# Altium PCB FlightControlBoard.PcbDoc (part 1 of 3) (continued)
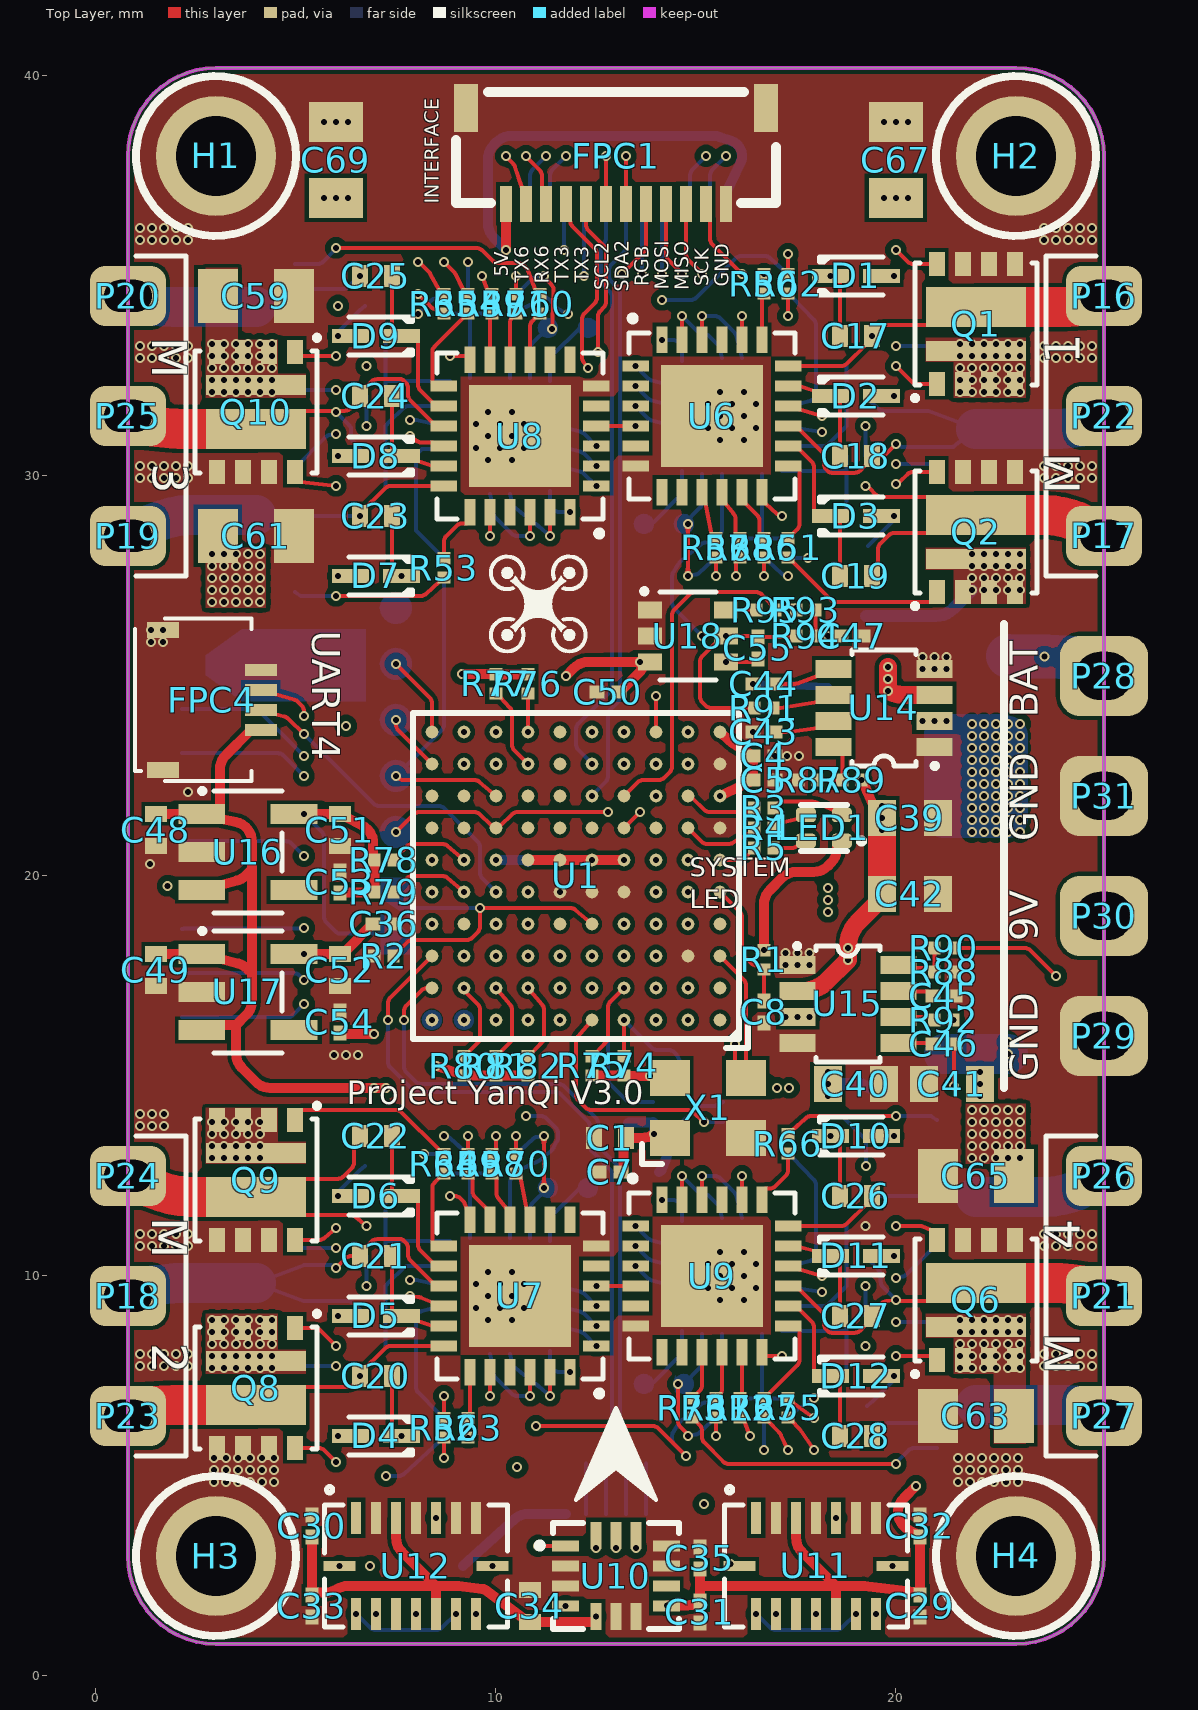
[diagram p0: Top Layer view]
## Footprints (in the part's own frame and the unit in brackets; to place one, negate y for a bottom-side part, rotate by r counter-clockwise, add the part's x,y. Pads: shape width x height; smd on the part's side, far side on the other; paste and mask are expansions set on the pad) (continued)

## Part data
C1 C2 C3 C4 C5 C6 C7 C8 C9 C10 C11 C12 C13 C14 C15 C16 C17 C18 C19 C20 C21 C22 C23 C24 C25 C26 C27 C28 C29 C30 C31 C32 C33 C34 C35 C36 C37 C38 C39 C40 C41 C42 C43 C44 C45 C46 C47 C48 C49 C50 C51 C52 C53 C54 C55 C56 C57 C58 C59 C60 C61 C62 C63 C64 C65 C66 C67 C68 C69 C70 C71 C72 C73: library part CC0603KRX7R9BB104, Add into BOM=yes, Convert to PCB=yes
  C9 C10 C11 C12 C13 C14 C15 C16 C29 C30 C32 C33 C35 C36 C37 C38 C43 C44 C45 C46 C53 C54: Name=100nF
  C17 C18 C19 C20 C21 C22 C23 C24 C25 C26 C27 C28 C48 C49 C51 C52: Name=1uF
  C31: Name=10nF
  C34: Name=2.2uF
  C39 C40 C41 C42: Name=22uF
D1 D2 D3 D4 D5 D6 D7 D8 D9 D10 D11 D12: Average Rectified Current (Io)=150mA, Forward Voltage (Vf@If)=1.25V@150mA, JLCPCB Part Class="Extended Part", LCSC Part Name="75V 150mA 4ns", Manufacturer=CJ(江苏长电/长晶), Operating Temperature=+150℃@(Tj), Power Dissipation=150mW, Reverse Leakage Current=1uA@75V, Reverse Voltage (Vr)=75V, Add into BOM=yes, Convert to PCB=yes, Datasheet=https://atta.szlcsc.com/upload/public/pdf/source/20160516/1463363918425.pdf, Device="1N4148WT T4", Diode Configuration=独立式, Manufacturer Part="1N4148WT T4", Name="1N4148WT T4", Reverse Recovery Time (trr)=4ns, Supplier=LCSC, Supplier Footprint=SOD-523, Supplier Part=C68948, Symbol=1N4148WT_C68948
D13 D14: Average Rectified Current (Io)=1A, Forward Voltage (Vf@If)=600mV@1A, JLCPCB Part Class="Basic Part", LCSC Part Name="电压:40V 电流:1A", Manufacturer=Hottech(合科泰), Reverse Voltage (Vr)=40V, Add into BOM=yes, Convert to PCB=yes, Datasheet=https://atta.szlcsc.com/upload/public/pdf/source/20220428/3CB86FD8D28D653594B4E35F9D5AEFD9.pdf, Device=1N5819WS_C191023, Manufacturer Part=1N5819WS, Supplier=LCSC, Supplier Footprint=SOD-323, Supplier Part=C191023, Symbol=1N5819WS
FPC1 FPC3: JLCPCB Part Class="Extended Part", LCSC Part Name="间距:0.5mm P数:12P 双侧触点/上下接", Manufacturer=HRS(广濑), Operating Temperature Range=-55℃~+105℃, Add into BOM=yes, Contact Material=磷青铜, Contact Plating=金, Contact Type=双侧触点/上下接, Convert to PCB=yes, Datasheet=https://atta.szlcsc.com/upload/public/pdf/source/20190903/C424660_13F2CCC518A089E10A5EDDF0ACBC803F.pdf, Device=FH34SRJ-12S-0.5SH(50), FFC, FCB Thickness=0.3mm, Height Above Board=1mm, Locking Feature=-, Manufacturer Part=FH34SRJ-12S-0.5SH(50), Mounting Type=卧贴, Number of Contacts=12P, Pitch=0.5mm, Supplier=LCSC, Supplier Footprint=SMD,P=0.5mm,卧贴, Supplier Part=C424659, Symbol=FH34SRJ-12S-0.5SH(50)
FPC2: JLCPCB Part Class="Extended Part", LCSC Part Name="间距:0.5mm P数:6P 双侧触点/上下接", Manufacturer=HRS(广濑), Operating Temperature Range=-55℃~+105℃, Soldering Temperature(Max)=-, Add into BOM=yes, Contact Material=磷青铜, Contact Plating=金, Contact Type=双侧触点/上下接, Convert to PCB=yes, Datasheet=https://atta.szlcsc.com/upload/public/pdf/source/20180712/C224194_08937A353F43080B85824A8384727686.pdf, Device=FH34SRJ-6S-0.5SH(50), FFC, FCB Thickness=0.3mm, Height Above Board=1mm, Locking Feature=-, Manufacturer Part=FH34SRJ-6S-0.5SH(50), Mounting Type=卧贴, Number of Contacts=6P, Pitch=0.5mm, Supplier=LCSC, Supplier Footprint=SMD,P=0.5mm,卧贴, Supplier Part=C224194, Symbol=FH34SRJ-6S-0.5SH(50)
FPC4: JLCPCB Part Class="Extended Part", LCSC Part Name="间距:0.5mm P数:4P 双侧触点/上下接", Manufacturer=HRS(广濑), Operating Temperature Range=-55℃~+105℃, Soldering Temperature(Max)=-, Add into BOM=yes, Contact Material=磷青铜, Contact Plating=金, Contact Type=双侧触点/上下接, Convert to PCB=yes, Datasheet=https://atta.szlcsc.com/upload/public/pdf/source/20210303/C596732_A8DFF1AAA7954D31ED084C13292B0B28.pdf, Device=FH34SRJ-4S-0.5SH(50), FFC, FCB Thickness=0.3mm, Height Above Board=1mm, Locking Feature=-, Manufacturer Part=FH34SRJ-4S-0.5SH(50), Mounting Type=卧贴, Number of Contacts=4P, Pitch=0.5mm, Supplier=LCSC, Supplier Footprint=SMD,P=0.5mm,卧贴, Supplier Part=C596732, Symbol=FH34SRJ-4S-0.5SH(50)
L1: library part SDFL2012T220KTF, DC Resistance (DCR)=1.1Ω, Frequency - Self Resonant=-, JLCPCB Part Class="Basic Part", LCSC Part Name="10uH ±20% 3.5A", Manufacturer=cjiang(长江微电), Rated Current=5mA, Tolerance=±10%, Add into BOM=yes, Convert to PCB=yes, Datasheet=https://atta.szlcsc.com/upload/public/pdf/source/20210816/855F4348312D259031B87CBCF31BE802.pdf, Device=FHD4020S-100MT, Manufacturer Part=FHD4020S-100MT, Name=10uH, Q @ Freq=-, Ratings=-, Saturation Current (Isat)=-, Supplier=LCSC, Supplier Footprint=SMD,4x4mm, Supplier Part=C602032, Symbol=FHD4020S-100MT
L2: library part SDFL2012T220KTF, DC Resistance (DCR)=1.1Ω, Frequency - Self Resonant=-, JLCPCB Part Class="Basic Part", LCSC Part Name="4.7uH ±20% 4.9A", Manufacturer=cjiang(长江微电), Rated Current=5mA, Tolerance=±10%, Add into BOM=yes, Convert to PCB=yes, Datasheet=https://atta.szlcsc.com/upload/public/pdf/source/20210816/855F4348312D259031B87CBCF31BE802.pdf, Device=FHD4020S-4R7MT, Manufacturer Part=FHD4020S-4R7MT, Name=4.7uH, Q @ Freq=-, Ratings=-, Saturation Current (Isat)=-, Supplier=LCSC, Supplier Footprint=SMD,4x4mm, Supplier Part=C602031, Symbol=FHD4020S-4R7MT
LED1: Emitted Color=RGB三色, JLCPCB Part Class="Extended Part", LCSC Part Name="RGB三色 1010RGB   金线", Manufacturer=国星光电, Add into BOM=yes, Convert to PCB=yes, Datasheet=https://atta.szlcsc.com/upload/public/pdf/source/20200910/C158099_0C805F16310A4C6DB0163E8F613FF382.pdf, Device=FC-B1010RGBT-HG, Manufacturer Part=FC-B1010RGBT-HG, Name=FC-B1010RGBT-HG, Supplier=LCSC, Supplier Footprint=0404, Supplier Part=C158099, Symbol=FC-B1010RGBT-HG
Q1 Q2 Q3 Q4 Q5 Q6 Q7 Q8 Q9 Q10 Q11 Q12: Continuous Drain Current (Id)=13A；15A, Drain Source On Resistance (RDS(on)@Vgs,Id)=10.2mΩ@13A,10V, Drain Source Voltage (Vdss)=30V, Gate Threshold Voltage (Vgs(th)@Id)=2.2V@250uA, Input Capacitance (Ciss@Vds)=485pF@15V, JLCPCB Part Class="Extended Part", LCSC Part Name="2个N沟道 耐压:30V 电流:13A 电流:15A", Manufacturer=AOS, Operating Temperature=-55℃~+150℃@(Tj), Power Dissipation (Pd)=2.5W, Reverse Transfer Capacitance (Crss@Vds)=-, Add into BOM=yes, Convert to PCB=yes, Datasheet=https://atta.szlcsc.com/upload/public/pdf/source/20200117/C485677_FDAB9B95CAD5785C045586C81566DB43.pdf, Device=AON7934, Manufacturer Part=AON7934, Name=AON7934, Supplier=LCSC, Supplier Footprint=DFN-8(3x3), Supplier Part=C485677, Symbol=AON7934, Total Gate Charge (Qg@Vgs)=11nC@10V, Type=2个N沟道
R1 R2 R3 R4 R5 R6 R7 R8 R9 R10 R11 R12 R13 R14 R15 R16 R17 R18 R19 R20 R21 R22 R23 R24 R25 R26 R27 R28 R29 R30 R31 R32 R33 R34 R35 R36 R37 R38 R39 R40 R41 R42 R43 R44 R45 R46 R47 R48 R49 R50 R51 R52 R53 R54 R55 R56 R57 R58 R59 R60 R61 R62 R63 R64 R65 R66 R67 R68 R69 R70 R71 R72 R73 R74 R75 R76 R77 R78 R79 R80 R81 R82 R83 R84 R85 R86 R87 R88 R89 R90 R91 R92 R93 R94 R95 R96: library part 0603WAF1002T5E, Add into BOM=yes, Convert to PCB=yes
  R1 R2 R3 R4 R5 R10 R11 R12 R13 R14 R15 R16 R17 R18 R19 R20 R21 R22 R23 R24 R25 R78 R79 R80 R81 R82 R87 R88 R93: Name=10kΩ
  R6 R7 R8 R9: Name=1kΩ
  R26 R28 R30 R32 R34 R36 R38 R40 R42 R44 R46 R48: Name=47kΩ
  R27 R29 R31 R33 R35 R37 R39 R41 R43 R45 R47 R49 R74 R75 R76 R77: Name=4.7kΩ
  R50 R51 R52 R53 R54 R55 R56 R57 R58 R59 R60 R61 R62 R63 R64 R65 R66 R67 R68 R69 R70 R71 R72 R73 R85 R86: Name=22Ω
  R83 R84: Name=5.1kΩ
  R89: Name=140kΩ
  R90: Name=74kΩ
  R91 R92 R94: Name=100kΩ
  R95: Name=56Ω
  R96: Name=10mΩ, Supplier Part=C163089
SD1: JLCPCB Part Class="Extended Part", LCSC Part Name="拔插式 MicroSD卡(TF卡) 卡座", Manufacturer=HANBO(汉博), Operating Temperature Range=-20℃~+85℃, Welding Temperature (Max)=-, Add into BOM=yes, Card Connection Mode=拔插式, Card Type=MicroSD卡(TF卡), Connector Type=卡座, Contact Material=-, Contact Plating=镀金, Convert to PCB=yes, Datasheet=https://atta.szlcsc.com/upload/public/pdf/source/20221209/91D0698AD722546CAE445F87A6450B20.pdf, Device=TF-027-H300, Manufacturer Part=TF-027-H300, Maximum Body Height=3mm, Supplier=LCSC, Supplier Footprint=SMD, Supplier Part=C5310495, Symbol=TF-027-H300
U1: JLCPCB Part Class="Extended Part", Manufacturer=ST(意法半导体), Add into BOM=yes, Convert to PCB=yes, Datasheet=https://atta.szlcsc.com/upload/public/pdf/source/20220307/46489B78091107FB73FE6602EFA9948C.pdf, Device=STM32H743VIH6, LCSC Part Name=STM32H743VIH6, Manufacturer Part=STM32H743VIH6, Name=STM32H743VIH6, Supplier=LCSC, Supplier Footprint=TFBGA-100, Supplier Part=C964146, Symbol=STM32H743VIH6
U2 U3 U4 U5: JLCPCB Part Class="Extended Part", LCSC Part Name="51系列 50MHz", Low-Voltage Detect=-, Manufacturer="SILICON LABS(芯科)", Manufacturer Part=EFM8BB21F16G-C-QFN20R, Operating Temperature Range=-40℃~+85℃, Operating Voltage Range=2.2V~3.6V, ADC (Bit)=12bit, Add into BOM=yes, CCP Capture/Compare=-, communication protocol=-, Convert to PCB=yes, CPU Core=51系列, CPU Maximum Speed=50MHz, DAC (Bit)=-, Datasheet=https://atta.szlcsc.com/upload/public/pdf/source/20160823/1471947533781.pdf, Device=EFM8BB21F16G-C-QFN20R, Direct Memory Access=-, EEPROM=-, GPIO Ports Number=16, Infrared Data Association=-, Internal Comparator=-, Internal Oscillator=有, Name=EFM8BB21F16G-C-QFN20R, Peripheral/Function=看门狗；PWM, Program Memory Type=FLASH, Program Storage Size=16KB, PWM (Bit)=-, RAM Size=2.25KB, Real-Time Clock=-, Secure Digital Input and Output=-, Supplier=LCSC, Supplier Footprint=QFN-20-EP(3x3), Supplier Part=C80713, Symbol=EFM8BB21F16G-C-QFN20, Universal Serial Bus=-, Watchdog=-
U6 U7 U8 U9: JLCPCB Part Class="Extended Part", Manufacturer="Fortior Tech(峰岹)", Add into BOM=yes, Convert to PCB=yes, Datasheet=https://atta.szlcsc.com/upload/public/pdf/source/20181108/C328453_785547738DB9FC0123219FC22539EFAD.pdf, Device=FD6288Q, LCSC Part Name=FD6288Q, Manufacturer Part=FD6288Q, Name=FD6288Q, Supplier=LCSC, Supplier Footprint=QFN-24-EP(4x4), Supplier Part=C328453, Symbol=FD6288Q_C328453
U10: JLCPCB Part Class="Extended Part", LCSC Part Name="ICM 42688 P", Manufacturer="TDK InvenSense(应美盛)", Add into BOM=yes, Convert to PCB=yes, Datasheet=https://atta.szlcsc.com/upload/public/pdf/source/20210703/CF24204867ACE5B754A2B035F23E5931.pdf, Device=ICM-42688-P, Manufacturer Part=ICM-42688-P, Name=ICM-42688-P, Supplier=LCSC, Supplier Footprint=LGA-14(2.5x3), Supplier Part=C1850418, Symbol=ICM-42688-P
U11 U12 U13: JLCPCB Part Class="Extended Part", Manufacturer=Bosch(博世), Add into BOM=yes, Convert to PCB=yes, Supplier=LCSC
  U11 U12: Datasheet=https://atta.szlcsc.com/upload/public/pdf/source/20180628/C194919_66CCF125FF968C218A4D358C68AC68D6.pdf, Device=BMI088, LCSC Part Name=BMI088, Manufacturer Part=BMI088, Name=BMI088, Supplier Footprint=LGA-16, Supplier Part=C194919, Symbol=BMI088
  U13: Datasheet=https://atta.szlcsc.com/upload/public/pdf/source/20211019/91C230A1D32F1E776DA878FFB43C8B15.pdf, Device=BMP388, LCSC Part Name=BMP388, Manufacturer Part=BMP388, Name=BMP388, Supplier Footprint=LGA-10, Supplier Part=C779278, Symbol=BMP388
U14 U15: JLCPCB Part Class=扩展库, Add into BOM=yes, Convert to PCB=yes, Datasheet=https://atta.szlcsc.comnull, Device=MP2225GJ-Z, LCSC Part Name=MP2225GJ-Z, Manufacturer Part=MP2225GJ-Z, Supplier=LCSC, Supplier Footprint=SOT23-8M, Supplier Part=C9900010483, Symbol=MP2225GJ-Z_C9900010483
U16 U17: Dropout Voltage=400mV@(500mA), JLCPCB Part Class="Extended Part", LCSC Part Name="输入5.5V 输出3.3V 500mA", Manufacturer=RICHTEK(立锜), Maximum Input Voltage=5.5V, Operating Temperature=-40℃~+85℃, Output Current=500mA, Output Voltage=3.3V, Power Supply Rejection Ratio (PSRR)=50dB@(10kHz), Quiescent Current (Ground Current)=50uA, Add into BOM=yes, Convert to PCB=yes, Datasheet=https://atta.szlcsc.com/upload/public/pdf/source/20150504/1457707282459.pdf, Device=RT9013-33GB, Feature=-, Manufacturer Part=RT9013-33GB, Name=RT9013-33GB, Noise=-, Number of Outputs=1, Output Polarity=正, Output Type=固定, Supplier=LCSC, Supplier Footprint=SOT-23-5, Supplier Part=C47773, Symbol=RT9013-33GB
U18: JLCPCB Part Class="Extended Part", Manufacturer=TI(德州仪器), Operating Temperature=-40℃~+125℃, Supply Current=300uA, Supply Voltage=-300mV~26V, Add into BOM=yes, Convert to PCB=yes, Datasheet=https://www.ti.com/cn/lit/gpn/ina199, Device=INA199A1DCKR, LCSC Part Name=INA199A1DCKR, Manufacturer Part=INA199A1DCKR, Name=INA199A1DCKR, Supplier=LCSC, Supplier Footprint=SOT-323-6, Supplier Part=C59135, Symbol=INA199A1DCKR
X1: JLCPCB Part Class="Extended Part", LCSC Part Name="16MHz 1.6V~3.6V", Manufacturer=EPSON(爱普生), Operating Temperature=-40℃~+85℃, Supply Voltage=1.6V~3.6V, Add into BOM=yes, Convert to PCB=yes, Datasheet=https://atta.szlcsc.com/upload/public/pdf/source/20180822/C255993_0296D9A145EF52AA9737C084400D904D.pdf, Device=X1G004171002700, Manufacturer Part=X1G004171002700, Name=16MHz, Supplier=LCSC, Supplier Footprint=SMD2520-4P, Supplier Part=C255993, Symbol=X1G004171002700

## Via types
v1: diameter 0.25, hole 0.15, Top Layer to Bottom Layer, tented both sides, 811 vias

## Nets (pads, with @x,y where several pads share a name; then routed paths per layer and width w, separated by ;. In a path a pad name is that pad's centre, name@x,y a point inside that pad or via, vN(x,y) a via of type N, cw(c..) or ccw(c..) an arc to the next point about the centre after c; other vN are vias at no path point)
5V: C40.1 D14.2 L2.1 R90.2 | length 16.1
  Top Layer w0.1: R90.2@21.442,18.2 23.217,18.2 cw(c23.217,18) 23.359,18.141 v1(24,17.5)
  Layer 4 w0.1: v1(18.3,19.1) 19.317,19.1 cw(c19.317,18.9) 19.459,19.041 20.941,17.559 ccw(c21.083,17.7) 21.083,17.5 v1(24,17.5)
  Layer 4 w0.3: v1(18.3,14.5) v1(18.3,14.8) v1(18.3,19.1) v1(18.3,19.7)
  Bottom Layer w0.3: v1(18.3,14.5) v1(18.3,14.8) ; v1(18.3,15.1) v1(18.3,14.8) ; D14.2@19.373,14.7 19.123,14.8 v1(18.3,14.8)
  other v1: 18.3,19.4
5V_FB: R88.2 R90.1 U15.8 | length 1.5
  Top Layer w0.1: U15.8@20.06,17.775 20.46,17.702 20.857,17.702 R88.2@20.958,17.6 R90.1@20.958,18.2
5V_SW: C46.1 L2.2 U15.3 | length 5.4
  Top Layer w0.1: v1(21.45,14.75) 21.45,15.688 C46.1@21.474,15.8
  Layer 2 w0.1: v1(17.84,16.475) 19.642,16.475 cw(c19.642,16.275) 19.784,16.416 v1(21.45,14.75)
  other v1: 17.24,16.475 17.54,16.475
9V: C13.2 C14.2 C15.2 C16.2 C39.1 C42.1 D1.2 D2.2 D3.2 D4.2 D5.2 D6.2 D7.2 D8.2 D9.2 D10.2 D11.2 D12.2 L1.1 P30.1 R89.2 R92.2 U6.4 U7.4 U8.4 U9.4 U15.2 | length 106.8
  Top Layer w0.1: v1(12.508,9.75) 12.79,9.75 13.21,9.75 U9.4@13.492,9.75 ; U8.4@12.508,31.25 12.79,31.25 v1(13.492,31.25)
  Top Layer w0.25: v1(19.142,22.4) 19.142,22.39 19.168,22.363 19.425,21.775 v1(19.65,21.75)
  Top Layer w0.45: U15.2@17.54,17.125 17.765,17.125 17.875,17.153 ccw(c17.652,18.025) 18.045,17.215 18.132,17.258 ccw(c17.99,17.55) 18.219,17.319 v1(18.8,17.9) 18.8,18.227 cw(c19.7,18.227) 19.063,18.863 19.525,19.325 C42.1@19.65,19.55
  Top Layer w0.7: C42.1@19.65,19.55 v1(19.65,21.45)
  Layer 1 w0.25: v1(6.05,6) 5.791,6.119 cw(c6,6.573) 5.5,6.573 5.5,8.427 cw(c6,8.427) 5.645,8.779 5.866,9 ; v1(6.05,9) 5.866,9 ; v1(6.05,30.5) 5.866,30.5 ; v1(6.05,33.5) ccw(c6.074,33.001) 5.722,33.356 5.645,33.279 ccw(c6,32.927) 5.5,32.927 5.5,31.073 ccw(c6,31.073) 5.646,30.72 5.866,30.5 ; v1(12.508,9.75) 12.508,12.913 ccw(c12.008,12.913) 12.5,12.998 12.5,13 ; v1(13.492,31.25) 13.095,30.853 ccw(c13.45,30.5) 12.95,30.5 12.95,24.318 ccw(c13.45,24.318) 12.999,24.101 13,24.1 ; v1(18.8,18.2) v1(18.8,17.9) ; v1(19.65,21.45) 19.65,23.7 ; v1(19.95,7.5) 20.209,7.619 ccw(c20,8.073) 20.5,8.073 20.5,9.927 ccw(c20,9.927) 20.354,10.28 20.279,10.355 ; v1(19.95,10.5) 20.134,10.5 20.354,10.721 ccw(c20,11.073) 20.5,11.073 20.5,12.927 ccw(c20,12.927) 20.353,13.281 20.28,13.354 ccw(c19.927,13) 19.973,13.498 v1(19.95,13.5) 19.723,13.5 cw(c19.723,14) 19.37,13.646 19.297,13.72 cw(c19.65,14.073) 19.15,14.073 19.15,17.343 ccw(c18.65,17.343) 19.004,17.697 v1(18.8,17.9) ; v1(19.95,32) 20.134,32 20.354,32.221 ccw(c20,32.573) 20.5,32.573 20.5,34.427 ccw(c20,34.427) 20.209,34.881 v1(19.95,35) ; 20.135,10.499 20.279,10.355 ; 20.135,31.999 20.279,31.855 20.354,31.78 cw(c20,31.427) 20.5,31.427 20.5,29.573 cw(c20,29.573) 20.209,29.119 v1(19.95,29) cw(c19.596,28.646) 19.951,28.999 20.104,28.846 cw(c19.75,28.493) 20.25,28.493 20.25,24.507 cw(c19.75,24.507) 20.104,24.154 19.65,23.7 ; 5.866,9 5.646,9.22 cw(c6,9.573) 5.5,9.573 5.5,11.427 cw(c6,11.427) 5.645,11.779 5.722,11.856 cw(c6.074,11.501) v1(6.05,12) 7.693,12 ccw(c7.693,12.5) 8.045,12.145 8.754,12.854 cw(c9.107,12.5) 9.107,13 12.5,13 ; 5.866,30.5 5.645,30.279 ccw(c6,29.927) 5.5,29.927 5.5,28.073 ccw(c6,28.073) 5.791,27.619 v1(6.05,27.5) 6.273,27.293 cw(c6,27) 6.285,27.281 8.105,25.446 cw(c7.75,25.093) 8.25,25.093 8.25,24.957 ccw(c8.75,24.957) 8.395,24.605 8.752,24.248 ccw(c9.107,24.6) 9.107,24.1 13,24.1 ; 12.5,13 16.193,13 ccw(c16.193,13.5) 16.545,13.145 17.654,14.254 ccw(c17.3,14.607) 17.8,14.607 17.8,15.443 cw(c18.3,15.443) 17.945,15.795 18.654,16.504 ccw(c18.3,16.857) 18.8,16.857 v1(18.8,17.9) ; 13,24.1 19.043,24.1 cw(c19.043,23.6) 19.396,23.954 19.503,23.847 19.65,23.7
  Layer 4 w0.1: v1(18.8,17.9) 19.858,17.9 cw(c19.858,17.7) 20,17.842 v1(21.442,16.4)
  Layer 4 w0.7: v1@19.65,21.55 v1(19.65,21.15) ccw(c21.05,21.15) 19.694,20.802 19.899,20.002 ccw(c21.255,20.35) 21.255,18.95 24.6,18.95 P30.1@25.2,19
  Bottom Layer w0.1: v1(6.05,12) 6.075,12.087 cw(c6.267,12.031) 6.126,12.173 6.591,12.638 C14.2@6.726,12.75 ; v1(6.05,33.5) 6.075,33.587 cw(c6.267,33.531) 6.126,33.673 6.591,34.138 C15.2@6.726,34.25 ; C16.2@19.274,6.75 19.409,6.862 19.874,7.328 ccw(c19.732,7.469) 19.924,7.413 v1(19.95,7.5) ; C13.2@19.297,28.25 19.874,28.828 ccw(c19.732,28.969) 19.924,28.913 v1(19.95,29)
9V_FB: R87.2 R89.1 U14.8 | length 1.5
  Top Layer w0.1: R87.2@18.042,22.4 R89.1@18.658,22.4 18.658,23.05 U14.8@18.44,23.225
9V_SW: C44.1 L1.2 U14.3 | length 3.7
  Top Layer w0.45: v1@19.801,24.625 ccw(c20.212,25.425) 20.212,24.525 20.735,24.525 U14.3@20.96,24.525 ; v1(19.8,24.625) v1(19.8,25.225)
  Bottom Layer w0.2: v1(16.426,24.8) 16.65,24.8 L1.2@18.3,24.724
  other v1: 19.8,24.925
AUX1: FPC3.5 U1.J4 | length 14.8
  Layer 3 w0.1: v1(13.2,22.8) cw(c13.377,22.708) 13.236,22.849 13.542,23.155 ccw(c13.4,23.296) 13.6,23.296 13.6,24.517 cw(c13.8,24.517) 13.658,24.658 14.142,25.142 ccw(c14,25.283) 14.2,25.283 14.2,32.767 ccw(c14,32.767) 14.141,32.909 13.709,33.341 cw(c13.85,33.483) 13.65,33.483 v1(13.65,35.05)
  Bottom Layer w0.1: v1(13.65,35.05) 13.65,35.859 13.65,36.4 FPC3.5@13.75,37
AUX2: FPC3.4 U1.K4 | length 15.1
  Layer 2 w0.1: v1(13.2,23.6) 13.2,24.117 cw(c13.4,24.117) 13.258,24.258 14.342,25.342 ccw(c14.2,25.483) 14.4,25.483 14.4,32.367 cw(c14.6,32.367) 14.458,32.508 15.492,33.542 ccw(c15.35,33.683) 15.55,33.683 15.55,33.977 ccw(c15.35,33.977) 15.491,34.118 15.381,34.229 ccw(c15.15,34) 15.379,34.231 15.268,34.342 ccw(c15.127,34.2) 15.127,34.4 14.883,34.4 cw(c14.883,34.6) 14.742,34.458 v1(14.15,35.05)
  Bottom Layer w0.1: v1(14.15,35.05) 14.15,36.4 FPC3.4@14.25,37
BAT: C55.2 P28.1 R96.1 U18.4 | length 11.7
  Top Layer w0.1: v1(15.75,25.35) 16.438,25.35 C55.2@16.55,25.426
  Layer 4 w0.1: v1(15.75,25.35) 19.067,25.35 ccw(c19.067,25.55) 19.208,25.408 19.592,25.792 cw(c19.733,25.65) 19.733,25.85 21.567,25.85 cw(c21.567,25.65) 21.709,25.791 21.958,25.542 ccw(c22.099,25.684) 22.099,25.484 v1(23.716,25.484)
  Bottom Layer w1.1: R96.1@22.8,25.5 22.939,25.484 v1(23.716,25.484) 23.736,25.483 cw(c23.696,23.284) 23.777,25.482 24.65,25.45 P28.1@25.2,25
Battery_I: R95.2 U1.H4 | length 8.4
  Top Layer w0.1: U1.H4@13.2,22 13.542,22.342 cw(c13.683,22.2) 13.683,22.4 14.067,22.4 ccw(c14.067,22.6) 14.208,22.458 14.342,22.592 ccw(c14.2,22.733) 14.4,22.733 14.4,26.517 cw(c14.6,26.517) 14.458,26.658 14.842,27.042 cw(c14.983,26.9) 14.983,27.1 16.495,27.1 cw(c16.495,26.9) 16.633,27.045 16.763,26.921 cw(c16.66,26.812) 16.778,26.905 16.89,26.762 R95.2@16.992,26.65
Battery_V: C47.1 R93.2 R94.1 U1.G4 | length 9.4
  Top Layer w0.1: U1.G4@13.2,21.2 v1(13.6,21.6) ; R93.2@17.992,26.65 R94.1@17.992,26 C47.1@18.626,26
  Layer 3 w0.1: v1(13.6,21.6) 14.317,21.6 ccw(c14.317,21.8) 14.458,21.658 15.542,22.742 ccw(c15.4,22.883) 15.6,22.883 15.6,24.467 cw(c15.8,24.467) 15.658,24.608 16.992,25.942 cw(c17.133,25.8) 17.133,26 v1(18.3,26)
BOOT0: P2.1 R2.1 U1.D5 | length 8.1
  Top Layer w0.1: R2.1@7.442,18 7.543,18.112 7.773,18.342 cw(c7.914,18.2) 7.914,18.4 9.267,18.4 ccw(c9.267,18.6) 9.408,18.458 9.542,18.592 ccw(c9.4,18.733) 9.6,18.733 v1(9.6,19.2) 11.856,19.2 cw(c11.856,19) 11.985,19.152 U1.D5@12.4,18.8
  Bottom Layer w0.1: P2.1@7.5,19.445 7.686,19.258 ccw(c7.827,19.4) 7.827,19.2 v1(9.6,19.2)
Core_3.3V: C1.1 C4.2 C5.2 C7.2 C29.1 C30.1 C31.1 C32.1 C33.1 C34.2 C35.2 C37.1 C38.1 C51.1 C53.1 LED1.1 P2.2 R1.2 R74.2 R75.2 R76.2 R77.2 R78.2 R79.2 R80.2 R81.2 R82.2 U1.A8 U1.B2 U1.D2 U1.F4 U1.F5 U1.F6 U1.F7 U1.H1 U1.K1 U10.5 U10.8 U11.3 U11.11 U12.3 U12.11 U13.1 U13.6 U13.10 U16.5 X1.1 X1.4 | length 112.9
  Top Layer w0.25: U16.5@4.954,21.55 v1(5.2,21.55) 5.955,21.55 C51.1@6.1,21.55 6.245,21.475 6.662,21.26 cw(c6.432,20.815) 6.932,20.815 6.932,20.437 R78.2@6.958,20.4 R79.2@6.958,19.6 6.932,19.588 6.137,19.588 C53.1@6.1,19.576 ; C33.1@5.4,2.024 C33.1@5.4,2.047 ; C30.1@5.4,3.476 C33.1@5.4,2.047 ; U12.3@7.502,3.95 7.502,3.675 7.502,3.455 ccw(c8.002,3.455) 7.648,3.102 8.5,2.25 ; 8.5,2.249 cw(c8.002,2.204) 8.502,2.204 8.502,1.825 U12.11@8.502,1.55 ; v1(8.5,15.25) 9.163,15.035 R80.2@9.2,15.008 R82.2@10.8,15.008 ; v1(9.15,25.05) 9.963,25.05 R77.2@10,25.042 R76.2@10.8,25.042 ; U1.F7@10.8,20.4 v1(13.2,20.4) ; R75.2@12.4,15.008 R74.2@13.2,15.008 13.237,15 13.975,15 X1.4@14.35,14.95 ; v1(12.5,1.488) 12.485,1.35 C34.2@10.85,1.35 10.705,1.425 9.762,2.13 ccw(c9.627,1.95) 9.653,2.174 9.063,2.246 ccw(c9.002,1.75) 9.004,2.25 8.5,2.25 ; C7.2@13.124,12.6 13.184,12.637 13.184,13.305 C1.1@13.25,13.45 13.65,13.45 ccw(c13.65,13.95) v1(13.95,13.55) ; v1(14.277,1.765) 14.789,1.765 ccw(c14.788,2.265) 14.9,1.778 15.063,1.815 C31.1@15.1,1.874 15.102,1.934 15.102,2.248 ; X1.1@14.35,13.45 13.975,13.54 cw(c14.141,14.012) 13.952,13.549 v1(13.95,13.55) ; C35.2@15.1,2.676 15.1,2.293 ccw(c15.6,2.294) 15.102,2.249 15.102,2.248 ; v1(15.6,22) 16.366,22.363 C5.2@16.426,22.4 C4.2@16.426,23 16.366,23.037 15.923,23.314 cw(c16.188,23.738) 15.847,23.372 U1.K1@15.6,23.6 ; R1.2@16.7,18.142 16.7,19.293 cw(c17.2,19.293) 16.845,19.645 17.154,19.954 cw(c17.507,19.6) 17.507,20.1 17.943,20.1 ccw(c17.943,20.6) 18.295,20.245 18.379,20.329 ccw(c18.025,20.682) 18.525,20.682 18.525,20.818 LED1.1@18.65,20.875 ; U11.3@17.502,3.95 17.502,3.675 17.502,3.455 ccw(c18.002,3.455) 17.649,3.101 18.389,2.361 cw(c18.036,2.007) 18.391,2.359 18.502,2.248 ; U11.11@18.502,1.55 18.502,1.825 18.502,2.248 ; v1(20.5,4.75) 20.195,4.445 ccw(c20.55,4.093) 20.302,3.658 20.326,3.645 ccw(c20.438,3.84) 20.343,3.636 20.563,3.535 C32.1@20.6,3.476 C29.1@20.6,2.047 ; C29.1@20.6,2.024 20.563,2.084 19.208,2.246 ccw(c19.147,1.75) 19.147,2.25 18.548,2.25 ccw(c18.548,1.75) 18.502,2.248 ; C33.1@5.4,2.047 5.437,2.084 5.732,2.084 ccw(c5.732,2.584) 5.956,2.137 6.076,2.197 cw(c6.301,1.75) 6.301,2.25 8.5,2.25 ; v1(13.95,13.55) 13.95,13.45 v1(13.95,13.55) ; 15.102,2.248 18.502,2.248
  Layer 1 w0.25: v1(5.2,21.55) 9.44,21.55 cw(c9.44,21.05) 9.792,21.404 10.653,20.547 ccw(c11.007,20.9) 11.007,20.4 12.4,20.4 13.2,20.4 13.854,21.054 cw(c14.207,20.7) 14.207,21.2 14.8,21.2 ; v1(8.5,15.25) 8.604,15.146 ccw(c8.957,15.5) 8.957,15 10.05,15 ; v1(10,16.4) 10,15.218 ccw(c10.5,15.218) 10.049,15.001 10.05,15 ; v1(12.5,1.488) 12.632,1.619 cw(c12.984,1.265) 12.984,1.765 v1(14.277,1.765) ; v1(15.6,22) 14.804,21.204 ccw(c15.158,20.851) 14.8,21.2 ; v1(20.5,4.75) 20.804,5.054 ccw(c20.45,5.407) 20.95,5.407 20.95,16.893 ccw(c20.45,16.893) 20.804,17.246 19.446,18.604 ccw(c19.093,18.25) 19.093,18.75 18.807,18.75 ccw(c18.807,18.25) 18.727,18.743 17.177,18.494 ccw(c17.257,18) 16.904,18.354 v1(16.7,18.15) 14.8,18.15 ; 10.05,15 14.493,15 ccw(c14.493,15.5) 14.845,15.145 15.154,15.454 ccw(c14.8,15.807) 15.3,15.807 15.3,16.493 ccw(c14.8,16.493) 15.154,16.846 14.801,17.199 14.8,18.15 ; 14.8,18.15 v1(14.8,18.8) 15.454,19.454 ccw(c15.1,19.807) 15.6,19.807 15.6,20.193 ccw(c15.1,20.193) 15.454,20.546 14.946,21.054 14.8,21.2
  Layer 2 w0.25: v1(9.15,25.05) 9.404,25.304 cw(c9.757,24.95) 9.757,25.45 11.65,25.45 cw(c11.65,24.95) 11.95,25.35 11.99,25.32 cw(c11.75,25) 12.15,25 12.15,24.357 cw(c11.65,24.357) 12.004,24.004 11.745,23.745 ccw(c12.1,23.393) 11.6,23.393 11.6,21.407 ccw(c12.1,21.407) 11.746,21.054 v1(12.4,20.4)
  Layer 3 w0.25: v1(13.85,15) ccw(c14.349,15.032) 13.85,14.999 v1(13.95,13.55)
  Bottom Layer w0.1: v1(5.2,21.55) 5.641,21.109 cw(c5.5,20.967) 5.7,20.967 5.7,18.983 ccw(c5.9,18.983) 5.759,18.841 5.986,18.614 ccw(c6.127,18.755) 6.127,18.555 P2.2@7.5,18.555 ; 14.081,13.55 14.267,13.55 ccw(c14.267,13.75) 14.408,13.608 14.992,14.192 cw(c15.133,14.05) 15.133,14.25 15.471,14.25 U13.6@15.671,14.35
  Bottom Layer w0.25: C37.1@13.3,13.824 13.337,13.837 13.804,13.837 U13.1@13.929,13.85 13.95,13.825 v1(13.95,13.55) 14.081,13.55 14.275,13.356 U13.10@14.3,13.231 14.275,13.106 14.275,13.08 cw(c13.775,13.082) 14.238,12.892 14.134,12.637 C38.1@14.074,12.6
  other v1: 12.4,15 14.8,17.2